# Altium PCB Titanium_v0.1.pcbdoc
Units mil, origin at the board's own origin, x right, y up, seen from the top; angles counter-clockwise.
Board outline 2364.23 x 3545.34 mil, 2 copper layers (Top Layer, Bottom Layer); 87 components, 87 nets, 390 pads, 279 vias.
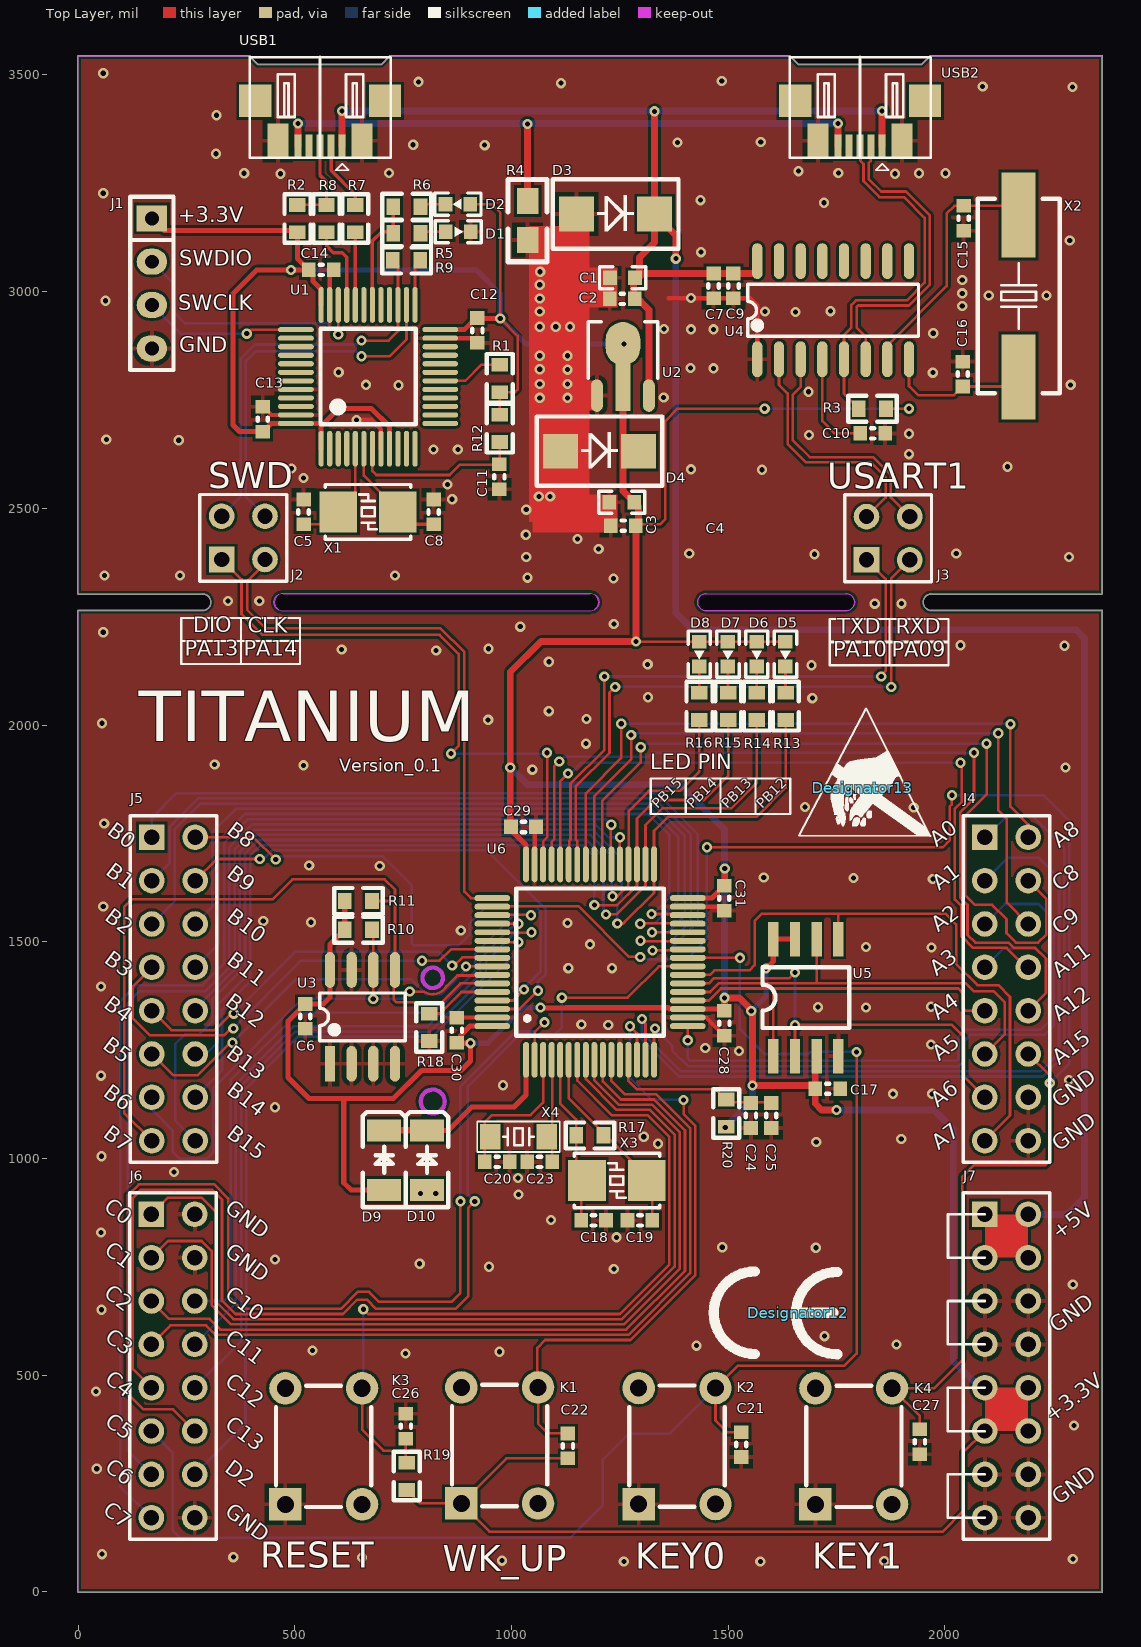
[diagram p0: Top Layer view]
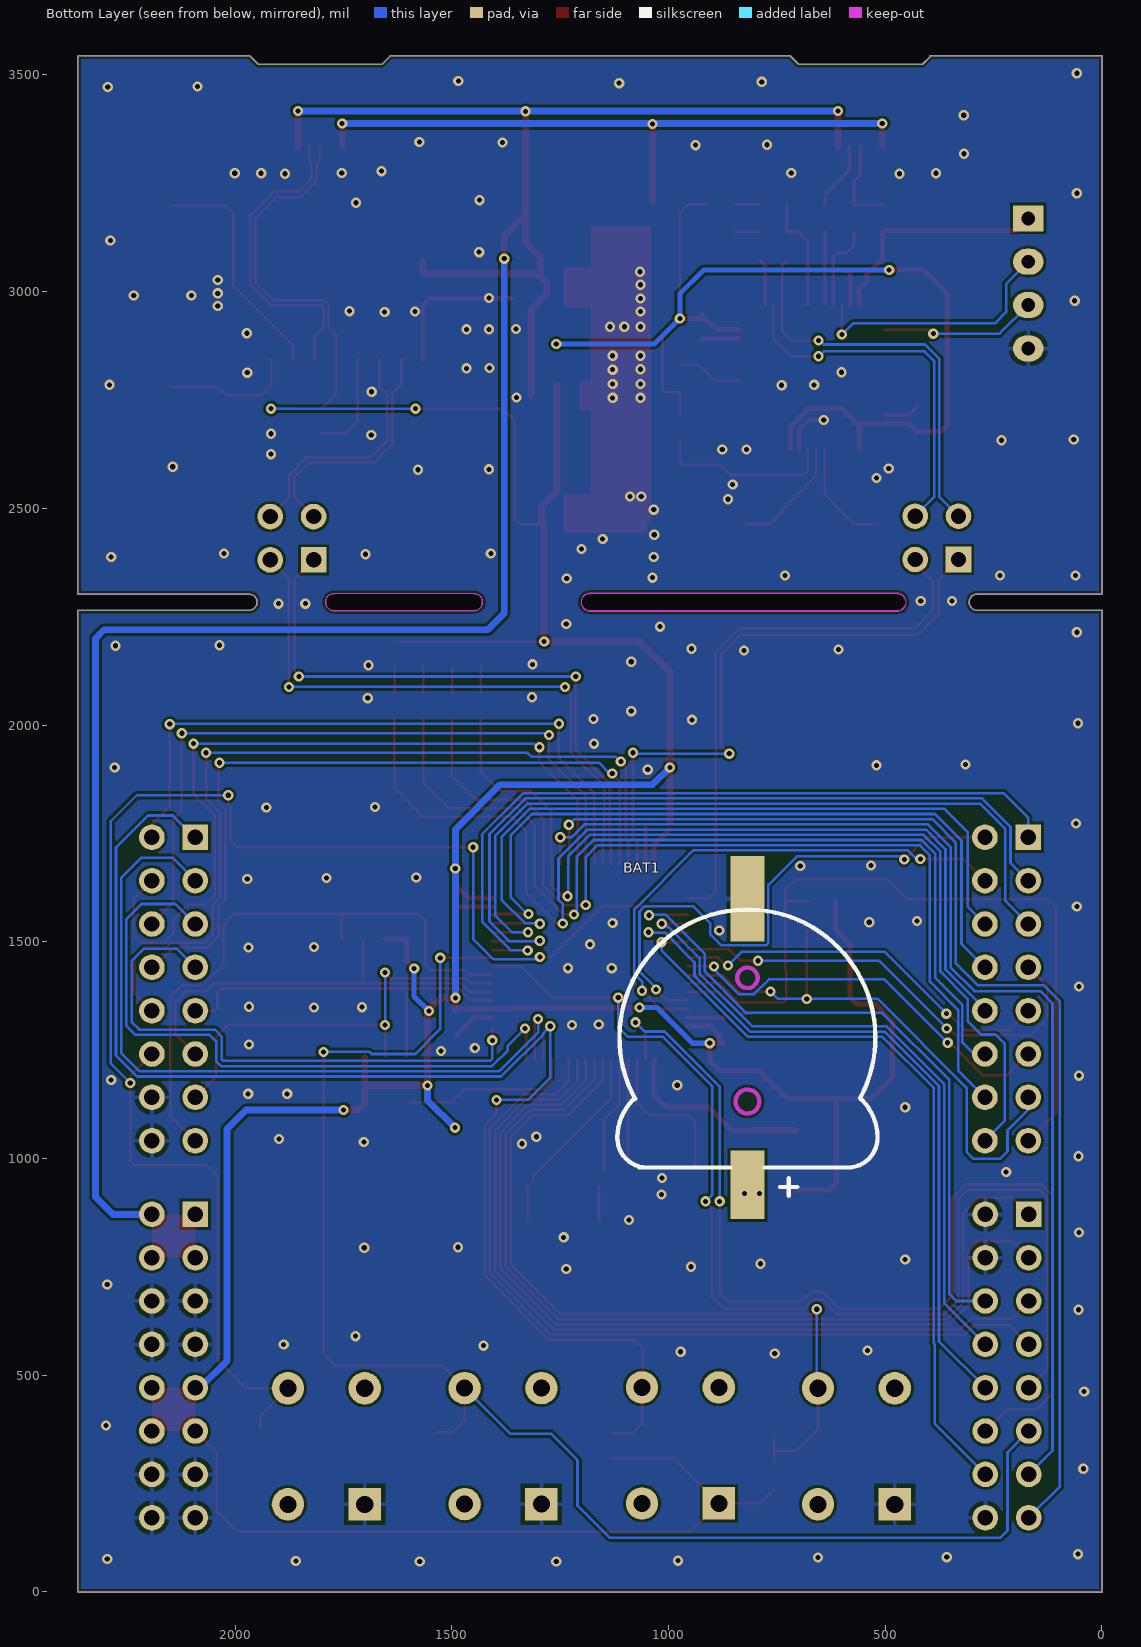
[diagram p1: Bottom Layer view, seen from below]

## Layer stack, top to bottom
Top Solder: solder mask 1, SM-001, Dk 4
Top Layer: signal copper 1.4
Dielectric 1: dielectric 12.6, FR-4, Dk 4.8
Bottom Layer: signal copper 1.4
Bottom Solder: solder mask 1, SM-001, Dk 4

## Board outline
-1.02,0 -1.02,2263.69 cw(c0,2263.69) 0,2264.7 287.31,2264.7 cw(c287.4,2263.69) 287.4,2264.7 ccw(c287.4,2283.37) 306.07,2283.37 ccw(c287.4,2283.37) 287.4,2302.04 cw(c287.4,2303.06) 287.31,2302.04 0,2302.04 cw(c0,2303.06) -1.02,2303.06 -1.02,3543.31 cw(c0,3543.31) 0,3544.32 396,3544.32 cw(c396,3543.31) 397.02,3543.31 397.02,3542.04 414.42,3524.64 699.58,3524.64 717.99,3543.04 717.99,3543.31 cw(c719,3543.31) 719,3544.32 1641.31,3544.32 cw(c1641.31,3543.31) 1641.66,3544.26 cw(c1642,3543.31) 1643.01,3543.31 1643.01,3543.04 1661.42,3524.64 1946.58,3524.64 1965.97,3544.03 ccw(c1966.69,3543.31) 1965.96,3544.02 1965.97,3544.02 cw(c1966.69,3543.31) 1966.69,3544.32 2362.2,3544.32 cw(c2362.2,3543.31) 2363.22,3543.31 2363.22,2303.15 cw(c2362.2,2303.15) 2362.2,2302.13 1968.59,2302.13 cw(c1968.5,2303.15) 1968.5,2302.13 ccw(c1968.5,2283.46) 1968.5,2264.8 cw(c1968.5,2263.78) 1968.59,2264.79 2362.2,2264.79 cw(c2362.2,2263.78) 2363.22,2263.78 2363.22,0 cw(c2362.2,0) 2362.2,-1.02 0,-1.02 cw(c0,0)
cut-out: 1449,2263.78 cw(c1449,2283.46) 1449,2303.15 1771.65,2303.15 cw(c1771.65,2283.46) 1771.65,2263.78
cut-out: 472.44,2262.67 cw(c472.44,2283.37) 472.44,2304.07 cw(c472.44,2303.06) 472.53,2304.07 525.57,2304.07 cw(c526,2303.15) 526.43,2304.07 1181.01,2304.07 cw(c1181.1,2303.06) 1181.1,2304.07 cw(c1181.1,2283.37) 1201.81,2283.37 cw(c1181.1,2283.37) 1181.1,2262.67 cw(c1181.1,2263.69) 1181.01,2262.67 472.53,2262.67 cw(c472.44,2263.69)

## Design rules (kind name [scope] priority, off if disabled: settings)
Clearance Clearance_1 [InPolygon] p1: gap=6
Clearance [All] p2: gap=6 except(5.5: SMDPad-SMDPad THPad-THPad)
PolygonConnect PolygonConnect_1 [All vs IsVia and InNet('GND')] p1: connectstyle=Direct reliefconductorwidth=10 reliefentries=4 polygonreliefangle="90 Angle" airgapwidth=10
PolygonConnect [All] p2: connectstyle=Relief reliefconductorwidth=10 reliefentries=4 polygonreliefangle="90 Angle" airgapwidth=10
RoutingVias [All] p1: holewidth=11.81 width=78.74 viastyle="Through Hole" minholewidth=11.81 minwidth=23.62 maxholewidth=28 maxwidth=78.74
SolderMaskExpansion [All] p1: expansion=4
Width [All] p1: maxlimit=100 minlimit=6 preferedwidth=10
30 further rules are at their usual default settings.

## Components (designator, comment, footprint, x,y, rotation, side; value= is the part's Value field where it differs from the comment)
BAT1 "CR1220" CR1220-A 818,939 r270 bottom locked
C1 "10uF" CAPC_0603_2 1256,3032 r0 top
C2 "104" 0603C 1223,2981 r0 top
C3 "104" 0603C 1225,2458 r0 top
C4 "10uF" CAPC_0603_2 1254,2514 r0 top
C5 "22pF" 0603C 522.24,2459.3 r90 top
C6 "104" 0603C 526.24,1295.3 r90 top
C7 "10uF" 0603C 1468.24,2980.82 r90 top
C8 "22pF" 0603C 822.24,2459.3 r90 top
C9 "104" 0603C 1514.24,2980.82 r90 top
C10 "104" 0603C 1800.82,2670.76 r0 top
C11 "104" 0603C 969.76,2605.18 r270 top
C12 "104" 0603C 919,2943 r270 top
C13 "104" 0603C 428.24,2673.3 r90 top
C14 "104" 0603C 528.3,3047.76 r0 top
C15 "22pF" 0603C 2045.24,3136.82 r90 top
C16 "22pF" 0603C 2038.76,2842.18 r270 top
C17 "104" 0603C 1762,1163 r180 top
C18 "22pF" 0603C 1221.7,859.24 r180 top
C19 "22pF" 0603C 1263.82,854.76 r0 top
C20 "12pF" 0603C 999.18,994.24 r180 top
C21 "104" 0603C 1532.24,307.3 r90 top
C22 "104" 0603C 1132.24,304.3 r90 top
C23 "12pF" 0603C 1032.3,989.76 r0 top
C24 "10uF" 0603C 1554.43,1066.62 r90 top
C25 "104" 0603C 1601.43,1066.62 r90 top
C26 "104" 0603C 753.76,414.7 r270 top
C27 "104" 0603C 1944.24,313.82 r90 top
C28 "104" 0603C 1493.24,1279.3 r90 top
C29 "104" 0603C 1060,1767 r180 top
C30 "104" 0603C 871.76,1328.18 r270 top
C31 "104" 0603C 1493,1568 r90 top
D1 "LED" LED-0603B 848,3138 r0 top
D2 "LED" LED-0603B 905,3202 r180 top
D3 "SMBJ5.0A" SMB/DO-214AA 1150,3179 r0 top
D4 "SMBJ3.3A" SMB/DO-214AA 1113,2632 r0 top
D5 "LED" LED-0603B 1632,2192.55 r270 top
D6 "LED" LED-0603B 1565.67,2192.55 r270 top
D7 "LED" LED-0603B 1499.33,2192.55 r270 top
D8 "LED" LED-0603B 1433,2192.55 r270 top
D9 "DIODE" LL34 706,927 r90 top
D10 "DIODE" LL34 805,927 r90 top
Designator12 "Comment" CE 1661,644 r0 top
Designator13 "Comment" ICO1 1810,1855 r0 top
J1 "Pin HDR1X4" "Pin HDR1X4/2.54mm-S" 170,3169 r0 top locked
J2 "Pin HDR2X2" "Pin HDR2X2/2.54mm-S" 331,2382 r0 top
J3 "Pin HDR2X2" "Pin HDR2X2/2.54mm-S" 1819,2381 r0 top
J4 "Pin HDR2X8" "Pin HDR2X8/2.54mm-S" 2092,1741 r270 top locked
J5 "Pin HDR2X8" "Pin HDR2X8/2.54mm-S" 170,1741 r270 top locked
J6 "Pin HDR2X8" "Pin HDR2X8/2.54mm-S" 169,871 r270 top locked
J7 "Pin HDR2X8" "Pin HDR2X8/2.54mm-S" 2092,871 r270 top locked
K1 "KEY" DIP-6X6X5 884,204 r90 top
K2 "KEY" DIP-6X6X5 1293.33,202.28 r90 top
K3 "KEY" DIP-6X6X5 478,202 r90 top
K4 "KEY" DIP-6X6X5 1701,202 r90 top
R1 "1K" 0603R 973,2830.99 r270 top
R2 "1.5K" 0603R 506,3200 r270 top
R3 "1.5k" 0603R 1864,2730 r180 top
R4 "MSMD200-8V 2A" 0805R 1037,3209 r270 top
R5 "510" 0603R 727,3135 r0 top
R6 "510" 0603R 727,3196 r0 top
R7 "22" 0603R 639,3200 r270 top
R8 "22" 0603R 573,3200 r270 top
R9 "120" 0603R 788.99,3072 r180 top
R10 "4.7k" 0603R 678,1528 r180 top
R11 "4.7k" 0603R 678,1594 r180 top
R12 "10K" 0603R 973,2716 r270 top
R13 "510" 0603R 1632.47,2074.54 r270 top
R14 "510" 0603R 1566.14,2074.55 r270 top
R15 "510" 0603R 1499.81,2074.54 r270 top
R16 "510" 0603R 1433.47,2074.55 r270 top
R17 "1M" 0603R 1212,1053 r180 top
R18 "0R" 0603R 810,1271 r90 top
R19 "10K" 0603R 758,298 r270 top
R20 "10R" 0603R 1495,1073 r90 top
U1 "STM32F103C8" "LQFP48 7X7" 669,2804 r0 top locked
U2 "AMS1117-3V3" SOT89 1257,2760 r0 top
U3 "AT24C02" SOP8 581,1218.46 r90 top
U4 "CH340G" SOP16 1567,2844 r90 top
U5 "W25Q128" SOIC8 1604,1236 r90 top
U6 "STM32F103RCT6" "LQFP64 10x10" 1181.1,1453 r0 top
USB1 "Micro-USB" USB-MICRO_A 609,3335 r180 top
USB2 "Micro-USB" USB-MICRO_A 1855,3335 r180 top
X1 "8MHz" "OSC 5032-2P" 669,2492 r180 top
X2 "12MHz" "OSC HC-49SMD" 2170,2990 r90 top
X3 "8MHz" "OSC 5032-2P" 1243,949 r180 top
X4 "32.768KHz" "OSC 3215-2P" 1016,1050 r0 top

## Footprints (in the part's own frame and the unit in brackets; to place one, negate y for a bottom-side part, rotate by r counter-clockwise, add the part's x,y. Pads: shape width x height; smd on the part's side, far side on the other; paste and mask are expansions set on the pad)
0603C [mm]
  rect 0.8x0.85 smd: 1(0.094,0.057) 2(1.554,0.057)
  silkscreen extent 0.72,-0.24 0.92,0.36, body extent 0.02,-0.34 1.62,0.46, height 0.38
0603R [mm]
  rect 0.8x0.965 smd: 1(0,0) 2(1.6,0)
  silkscreen extent -0.64,-0.76 2.21,0.76, body extent -0.04,-0.41 1.56,0.41, height 0.45
0805R [mil]
  rect 60x50 smd: 1(0,0) 2(90,0)
  silkscreen extent -50,-45 140,45, body extent 1,-25 80,25, height 15
CAPC_0603_2 [mm]
  rect 0.8x0.85 smd: 1(-0.73,0) 2(0.73,0)
  silkscreen extent -1.35,-0.65 1.35,0.65, body extent -0.8,-0.4 0.8,0.4, height 0.6
CE [mil]
  silkscreen extent -195,-96 90,95
CR1220-A [mm]
  rect 4x2 smd: 1(0,0)
  rect 5x2 smd: 2(-16.764,0)
  Keep-Out Layer circle w0.254: c-4.886,0 r0.7
  Keep-Out Layer circle w0.254: c-12.136,0 r0.6
  silkscreen extent -16.13,-7.62 0.64,7.62, body extent -18.77,-7.37 0.99,7.53, height 4.05
DIP-6X6X5 [mm]
  rect 1.9x1.9 hole 1: 1(0,0)
  round 1.9 hole 1: 2(0,-4.5) 3(6.8,-4.5) 4(6.8,0)
  silkscreen extent -0.16,-5.04 6.96,0.54, body extent -0.8,-5.24 7.41,0.76, height 4.95
ICO1 [mil]
  silkscreen extent -147,-112 156,183
LED-0603B [mm]
  rect 0.8x0.85 smd: A(0,0) K(1.46,0)
  silkscreen extent -0.62,-0.65 2.08,0.65, body extent -0.08,-0.4 1.54,0.4, height 0.6
LL34 [mm] "玻封二极管"
  rect 1.3x2 smd: A(0,0) K(3.5,0)
  silkscreen extent -1,-1.25 4.57,1.25, body extent -0.1,-0.75 3.4,0.75, height 1.5
"LQFP48 7X7" [mm]
  oval 0.3x2.1 smd: 1(-2.75,-4.227) 2(-2.25,-4.227) 3(-1.75,-4.227) 4(-1.25,-4.227) 5(-0.75,-4.227) 6(-0.25,-4.227) 7(0.25,-4.227) 8(0.75,-4.227) 9(1.25,-4.227) 10(1.75,-4.227) 11(2.25,-4.227) 12(2.75,-4.227) 25(2.75,4.202) 26(2.25,4.202) 27(1.75,4.202) 28(1.25,4.202) 29(0.75,4.202) 30(0.25,4.202) 31(-0.25,4.202) 32(-0.75,4.202) 33(-1.25,4.202) 34(-1.75,4.202) 35(-2.25,4.202) 36(-2.75,4.202)
  oval 2.1x0.3 smd: 13(4.227,-2.75) 14(4.227,-2.25) 15(4.227,-1.75) 16(4.227,-1.25) 17(4.227,-0.75) 18(4.227,-0.25) 19(4.227,0.25) 20(4.227,0.75) 21(4.227,1.25) 22(4.227,1.75) 23(4.227,2.25) 24(4.227,2.75) 37(-4.227,2.75) 38(-4.227,2.25) 39(-4.227,1.75) 40(-4.227,1.25) 41(-4.227,0.75) 42(-4.227,0.25) 43(-4.227,-0.25) 44(-4.227,-0.75) 45(-4.227,-1.25) 46(-4.227,-1.75) 47(-4.227,-2.25) 48(-4.227,-2.75)
  silkscreen extent -2.79,-2.79 2.79,2.79, body extent -4.51,-4.5 4.5,4.5, height 1.45
"LQFP64 10x10" [mm]
  oval 0.35x2.1 smd: 1(-3.75,-5.727) 2(-3.25,-5.727) 3(-2.75,-5.727) 4(-2.25,-5.727) 5(-1.75,-5.727) 6(-1.25,-5.727) 7(-0.75,-5.727) 8(-0.25,-5.727) 9(0.25,-5.727) 10(0.75,-5.727) 11(1.25,-5.727) 12(1.75,-5.727) 13(2.25,-5.727) 14(2.75,-5.727) 15(3.25,-5.727) 16(3.75,-5.727) 33(3.75,5.727) 34(3.25,5.727) 35(2.75,5.727) 36(2.25,5.727) 37(1.75,5.727) 38(1.25,5.727) 39(0.75,5.727) 40(0.25,5.727) 41(-0.25,5.727) 42(-0.75,5.727) 43(-1.25,5.727) 44(-1.75,5.727) 45(-2.25,5.727) 46(-2.75,5.727) 47(-3.25,5.727) 48(-3.75,5.727)
  oval 2.1x0.35 smd: 17(5.727,-3.75) 18(5.727,-3.25) 19(5.727,-2.75) 20(5.727,-2.25) 21(5.727,-1.75) 22(5.727,-1.25) 23(5.727,-0.75) 24(5.727,-0.25) 25(5.727,0.25) 26(5.727,0.75) 27(5.727,1.25) 28(5.727,1.75) 29(5.727,2.25) 30(5.727,2.75) 31(5.727,3.25) 32(5.727,3.75) 49(-5.727,3.75) 50(-5.727,3.25) 51(-5.727,2.75) 52(-5.727,2.25) 53(-5.727,1.75) 54(-5.727,1.25) 55(-5.727,0.75) 56(-5.727,0.25) 57(-5.727,-0.25) 58(-5.727,-0.75) 59(-5.727,-1.25) 60(-5.727,-1.75) 61(-5.727,-2.25) 62(-5.727,-2.75) 63(-5.727,-3.25) 64(-5.727,-3.75)
  silkscreen extent -4.32,-4.32 4.32,4.32, body extent -6,-5.99 6,6.02, height 1.45
"OSC 3215-2P" [mm]
  rect 1.2x1.5 smd: 1(-1.65,0) 2(1.65,0)
  silkscreen extent -2.41,-0.89 2.41,0.89, body extent -1.47,-0.76 1.73,0.74, height 0.61
"OSC 5032-2P" [mm]
  rect 2.2x2.4 smd: 1(-1.75,0) 2(1.75,0)
  silkscreen extent -2.5,-1.6 2.5,1.6, body extent -2.5,-1.52 2.5,1.68, height 0.86
"OSC HC-49SMD" [mm]
  rect 5x2 smd: 1(-4.75,0) 2(4.75,0)
  silkscreen extent -5.7,-2.4 5.7,2.4, body extent -6.37,-2.41 6.63,2.24, height 4.63
"Pin HDR1X4/2.54mm-S" [mil]
  rect 70x60 hole 32: 1(0,0)
  oval 70x60 hole 32: 2(0,-100) 3(0,-200) 4(0,-300)
  silkscreen extent -50,-350 50,50, body extent -50,-350 50,50, height 336
"Pin HDR2X2/2.54mm-S" [mm] "Connector; Header; 2x2 Position"
  rect 1.5x1.5 hole 0.9: 1(0,0)
  round 1.5 hole 0.9: 2(0,2.54) 3(2.54,0) 4(2.54,2.54)
  silkscreen extent -1.27,-1.27 3.81,3.81, body extent -1.27,-1.27 3.81,3.81, height 7.58
"Pin HDR2X8/2.54mm-S" [mm] "Connector; Header; 8x2 Position"
  rect 1.5x1.5 hole 0.9: 1(0,0)
  round 1.5 hole 0.9: 2(0,2.54) 3(2.54,0) 4(2.54,2.54) 5(5.08,0) 6(5.08,2.54) 7(7.62,0) 8(7.62,2.54) 9(10.16,0) 10(10.16,2.54) 11(12.7,0) 12(12.7,2.54) 13(15.24,0) 14(15.24,2.54) 15(17.78,0) 16(17.78,2.54)
  silkscreen extent -1.27,-1.27 19.05,3.81, body extent -1.27,-1.27 19.05,3.81, height 7.58
SMB/DO-214AA [mil] "塑封二极管"
  rect 80x80 smd: A(0,0) K(180,0)
  silkscreen extent -55,-80 235,80, body extent -20,-79 200,75, height 98
SOIC8 [mil]
  rect 80x24 smd: 1(0,0) 2(0,-50.06) 3(0,-100.06) 4(0,-150.06) 5(270,-150) 6(270,-100) 7(270,-50) 8(270,0)
  silkscreen extent 65,-175 205,25, body extent 13,-174 257,23, height 69
SOP8 [mm]
  rect 2.1x0.6 smd: 1(0,0)
  oval 2.1x0.6 smd: 2(0,-1.27) 3(0,-2.54) 4(0,-3.81) 5(5.5,-3.81) 6(5.5,-2.54) 7(5.5,-1.27) 8(5.5,0)
  silkscreen extent 1.35,-4.41 4.15,0.6, body extent -0.36,-4.37 5.64,0.63, height 1.9
SOP16 [mm]
  oval 2.1x0.6 smd: 1(0,0) 2(0,-1.27) 3(0,-2.54) 4(0,-3.81) 5(0,-5.08) 6(0,-6.35) 7(0,-7.62) 8(0,-8.89) 9(5.75,-8.89) 10(5.75,-7.62) 11(5.75,-6.35) 12(5.75,-5.08) 13(5.75,-3.81) 14(5.75,-2.54) 15(5.75,-1.27) 16(5.75,0)
  silkscreen extent 1.35,-9.45 4.4,0.56, body extent -0.04,-9.45 5.97,0.56, height 1.9
SOT89 [mil]
  oval 27.56x74.8 smd: 1(-60,0) 3(60,0)
  rect 34x120 smd: 2(0,25)
  oval 80x100 smd: 2(0,120)
  silkscreen extent -80,40 80,170, body extent -89,-13 89,156, height 59
USB-MICRO_A [mm]
  rect 1.9x1.9 smd: 0(-2.515,-2.667) 0(5.08,-2.667)
  rect 1.25x2 smd: 0(-1.168,-0.33) 0(3.759,-0.33)
  rect 0.4x1.4 smd: 1(0,0) 2(0.648,0) 3(1.295,0) 4(1.943,0) 5(2.591,0)
  silkscreen extent -2.84,-5.24 5.41,1.4, body extent -2.71,-5.08 5.25,0.34, height 2.69

## Part data
C1 C2 C3 C4 C5 C6 C7 C8 C9 C10 C11 C12 C13 C14 C15 C16 C17 C18 C19 C20 C21 C22 C23 C24 C25 C26 C27 C28 C29 C30 C31: library part CAP, "无极性电容"
D3 D4: library part TVS, "双向瞬态抑制二极管"
D9 D10: "普通二极管"
R1 R2 R3 R5 R6 R7 R8 R9 R10 R11 R12 R13 R14 R15 R16 R17 R18 R19 R20: library part RES
R4: library part FU, "贴片保险丝"
U1: "Flaah:64/RAM:20/IO:36"
U2: library part AMS1117, "三端稳压芯片"
X1 X2 X3 X4: library part XTAL-2P, "2脚无源脚晶振"

## Via types
v1: diameter 23.62, hole 11.81, Top Layer to Bottom Layer, 279 vias

## Nets (pads, with @x,y where several pads share a name; then routed paths per layer and width w, separated by ;. In a path a pad name is that pad's centre, name@x,y a point inside that pad or via, vN(x,y) a via of type N, cw(c..) or ccw(c..) an arc to the next point about the centre after c; other vN are vias at no path point)
+3.3V: C3.2 C4.2 C6.2 C12.1 C13.1 C14.1 C17.2 C22.1 C28.2 C29.2 C30.2 C31.2 D2.A D4.K D5.A D6.A D7.A D8.A D9.A J1.1 J7.9 J7.10 J7.11 J7.12 K1.1 R1.2 R2.2 R3.1 R10.2 R11.2 R12.1 R19.2 R20.1 U1.1 U1.9 U1.24 U1.36 U1.48 U2.2 U3.8 U5.3 U5.7 U5.8 U6.19 U6.32 U6.48 U6.64 | length 12585.1
  Top Layer w6: R19.2 789.01,204 K1.1 ; D2.A 954,3202 974,3182 v1(974,2938) 1014,2898 1014,2774 1008,2768 R1.2 R12.1 ; C22.1 988,308 K1.1 ; v1@1287,2192.55 D8.A D7.A D6.A D5.A ; C3.2@1287,2463 1343,2463 1355,2475 1355,2702 1383,2730 v1(1584,2730) ; R3.1 v1(1917,2730) ; J7.11 2042,321 2042,186 1995,139 949,139 K1.1
  Top Layer w11.81: J1.1@198,3141 502.01,3141 R2.2 506,3076 C14.1 ; U1.1 560.73,2689.73 566.73,2695.73 ; U1.36 560.73,3004.85 541.84,3023.74 541.84,3040.16 C14.1 ; U1.9 718.21,2688.81 677.03,2730 601,2730 566.73,2695.73 ; U1.24 890.8,2912.27 924.02,2945.48 C12.1@925,2945.48 ; C12.1@922.54,2938 v1(974,2938) ; C14.1 v1(491,3050) 412,3050 357,2995 357,2692 372,2677 C13.1 426.98,2677 445.72,2695.73 U1.48 566.73,2695.73
  Top Layer w12: R11.2 R10.2 581,1493.99 U3.8 581,1372 565.48,1356.48 C6.2 484,1316.48 484,1187 533,1138 615,1138 ; D9.A 630,927 613,944 613,1136 615,1138 ; C30.2 882.07,1275.07 882.07,1283.1 904.33,1305.36 U6.64 ; C30.2@883,1266 v1(905,1266) 905,1225 883,1203 792,1203 727,1138 615,1138 ; C29.2@998.82,1758.18 1033.46,1723.54 U6.48 ; v1(1067,1348) 1067.81,1347.19 1125.86,1347.19 1126.2,1347.53 1362.3,1347.53 1364.3,1345.53 1405.78,1345.53 U6.19 C28.2@1486.75,1344.73 ; U6.32 1462.21,1600.64 C31.2 ; v1(1587,1438) 1604,1455 U5.8 U5.7
  Top Layer w15.75: C29.2@997,1778.57 v1(997,1902) 997,2122 1068,2193 v1(1287,2193) ; U2.2@1257,2785 1257,2540 1293,2504 1293,2469 1287,2463 v1(1287,2193) ; v1@1287,2192.55 v1(1287,2193) ; C28.2@1491.5,1340.98 v1(1491.5,1370.5) 1525.5,1370.5 1556,1340 v1(1556,1168) 1700.82,1168 U5.3@1700.82,1232.75 ; C31.2@1492,1630.43 v1(1492,1669) ; C17.2 1700.82,1126.18 1715,1112 v1(1750,1112)
  Bottom Layer w6: v1(1584,2730) v1(1917,2730)
  Bottom Layer w11.81: v1(491,3050) 919,3050 974,2995 v1(974,2938) 1033,2879 v1(1259,2879)
  Bottom Layer w12: v1(905,1266) 944.94,1266 1026.94,1348 v1(1067,1348) ; v1(1553,1340) 1587,1374 v1(1587,1438)
  Bottom Layer w15.75: v1(997,1902) 1036.68,1862.32 1388.68,1862.32 1491.5,1759.5 v1(1491.5,1370.5) ; v1(1493,1071) 1556,1134 v1(1556,1168) ; v1(1750,1112) 1975,1112 2019,1068 2019,533 J7.9@2081,471
+5V: C1.2 C2.2 C7.2 C9.2 D3.K J7.1 J7.2 J7.3 J7.4 U2.3 U4.16 USB1.1 USB2.1 | length 5750
  Top Layer w15.75: USB1.1 v1(609,3417) ; U2.3 1317,2958 1281,2994 1281,3014 1281,3019.87 C1.2@1295.4,3034.27 ; v1(1330,3416) D3.K ; v1(1379,3076) 1379,3130 D3.K ; U4.16 1567,3045.64 1563.36,3042 C9.2 C7.2 1362,3042 1303.13,3042 C1.2@1295.4,3034.27 ; USB2.1 v1(1855,3417) ; C1.2@1295.4,3034.27 1295.4,3078.4 1330,3113 D3.K
  Bottom Layer w15.75: v1@605,3417 v1(609,3417) v1(1855,3417) ; v1(1379,3076) 1379,2258 1417,2220 2301.99,2220 2321.85,2200.14 2321.85,910.85 2282,871 J7.2
BAT: BAT1.1 D10.A
  other v1: 790,919 825,919
CH340_D+: R3.2 U4.5 USB2.3 | length 859.4
  Top Layer w6: R3.2 1767,2764.01 U4.5 1767,2900 1784,2917 1784,2969.46 1794.54,2980 1912,2980 1953,3021 1953,3170 1905,3218 1849.03,3218 1812,3255.03 1812,3295 1805.04,3301.96 1805.04,3333.96 USB2.3
CH340_D-: U4.6 USB2.2 | length 732.6
  Top Layer w6: U4.6 1817,2896 1796,2917 1796,2964.49 1799.51,2968 1916.97,2968 1965,3016.03 1965,3176 1910,3231 1853,3231 1824,3260 1824,3297 1828.96,3301.96 1828.96,3334.46 USB2.2